# Altium PCB uTCA_MCH_PCB3.pcbdoc (part 14 of 25)
Units mil, origin at the board's own origin, x right, y up, seen from the top; angles counter-clockwise.
Board outline 7110.66 x 2894.12 mil, 12 copper layers (Top Layer, GND1, MidLayer1, PWR1, MidLayer2, GND2, PWR2, MidLayer3, GND3, MidLayer4, PWR3, Bottom Layer), stack 63.15 mil thick; 767 components, 905 nets, 4553 pads, 2832 vias.
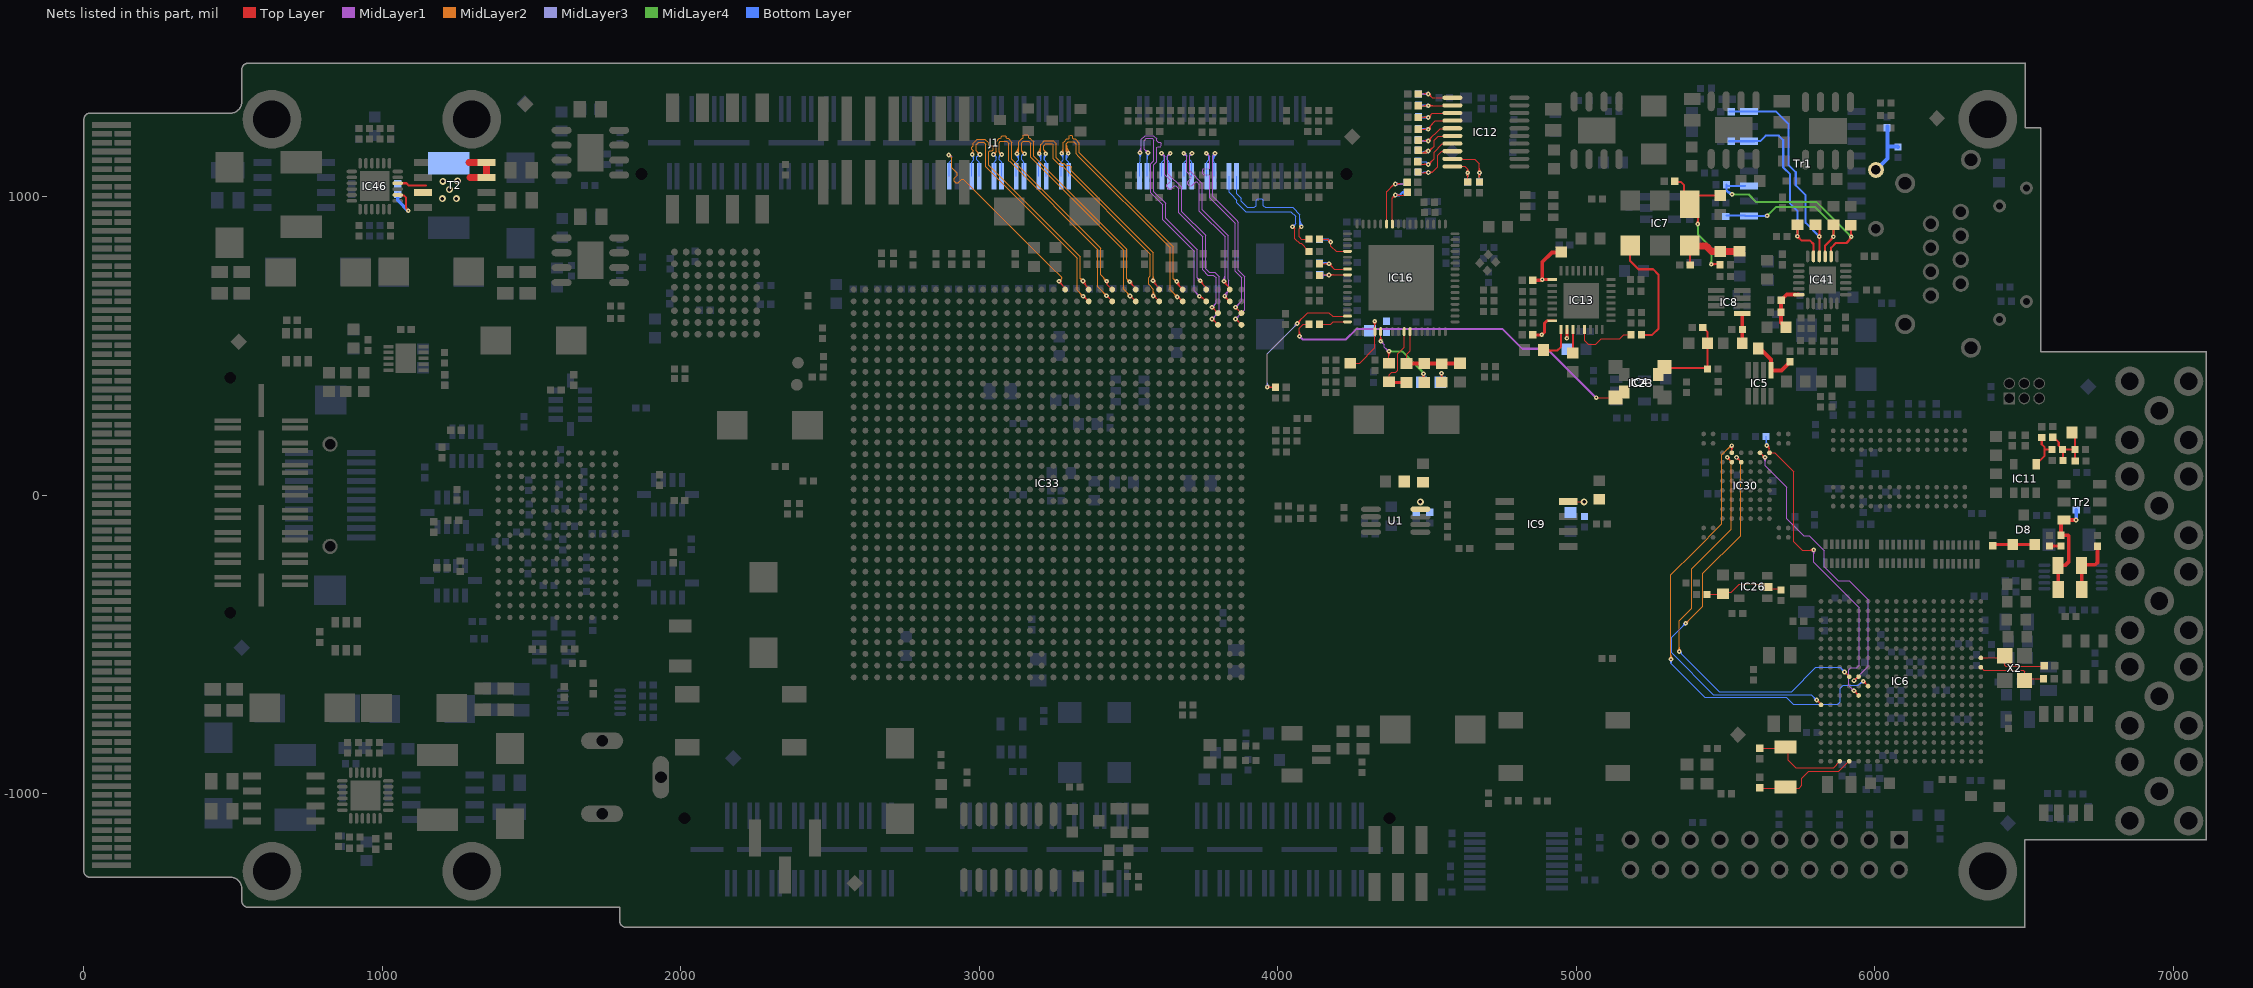
[diagram p24: the nets of this part, all layers, seen from the top]

## Via types
v1: diameter 15.75, hole 5.91, Top Layer to Bottom Layer, tented both sides, 2480 vias
v2: diameter 23.62, hole 11.81, Top Layer to Bottom Layer, tented both sides, 325 vias
v3: diameter 20, hole 10, Top Layer to Bottom Layer, tented both sides, 16 vias
v4: diameter 15.75, hole 7.87, Top Layer to Bottom Layer, tented both sides, 9 vias
v5: diameter 23.62, hole 11.81, Top Layer to Bottom Layer, 1 vias
v6: diameter 15.75, hole 5.91, Top Layer to Bottom Layer, 1 vias

## Nets (pads, with @x,y where several pads share a name; then routed paths per layer and width w, separated by ;. In a path a pad name is that pad's centre, name@x,y a point inside that pad or via, vN(x,y) a via of type N, cw(c..) or ccw(c..) an arc to the next point about the centre after c; other vN are vias at no path point) (continued)
MGTTX114_2_P: IC33.T1 J1.42 | length 815.1
  Top Layer w3.94: v1@3267.03,710.88 cw(c3267.03,702.88) 3272.69,708.54 ; v1@3268.71,716.17 3268.71,712.52 3287.4,693.83 IC33.T1@3287.4,688.98 ; v1@3269,716.79 ccw(c3280,716.79) 3272.22,709.01 ; v1@3272.94,716.79 ccw(c3293.45,716.79) 3278.94,702.29
  MidLayer2 w3.54: v1(2897.63,1139.76) 2898.17,1139.76 2906.65,1131.28 ; v1@2898.72,1133.76 cw(c2900.32,1124.94) 2906.65,1131.28 ; v1@2903.71,1139.27 ccw(c2913.83,1138.45) 2906.65,1131.28 ; 2906.45,1098.39 2926.63,1078.21 2926.63,1072.25 2915.54,1061.16 2915.54,1052.39 2920.67,1047.26 2928.93,1047.26 2940.84,1059.17 2945.67,1059.17 3236.84,768 3237.06,768 3275.24,729.82 3275.24,725 ; 2906.65,1098.2 2906.65,1131.28 ; v1(3267.03,716.79) 3275.24,725 ; v1@3268.14,722.79 ccw(c3269.59,730.65) 3275.24,725 ; v1@3273.03,717.9 cw(c3280.89,719.35) 3275.24,725
  Bottom Layer w3.94: v1(2897.63,1139.76) 2900.85,1139.76 2906.76,1133.86 ; J1.42@2899.13,1068.31 2899.13,1115.82 2906.76,1123.44 2906.76,1133.86 ; v1@2900.6,1134.66 cw(c2903.16,1130.26) 2906.76,1133.86 ; v1@2903.54,1139.76 ccw(c2910.02,1139.76) 2905.44,1135.18
MGTTX114_3_N: IC33.P2 J1.48 | length 921.1
  Top Layer w3.94: v1@3346.46,669.29 IC33.P2@3366.14,649.61 ; v1@3347.52,660.51 cw(c3347.52,641.89) IC33.P2@3360.69,655.06 ; v1@3347.52,664.45 cw(c3347.52,655.33) 3353.97,661.78 ; v1@3353.43,666.42 ccw(c3363.32,666.42) 3356.32,659.43
  MidLayer2 w3.54: v1@2995.86,1141.73 ccw(c2981.13,1141.73) 2991.55,1152.15 ccw(c3001.96,1162.56) v1@3001.96,1147.83 ; v1(3001.96,1141.73) 2989.07,1154.62 2989.07,1174.71 2997.24,1182.88 3014.69,1182.88 3021.31,1176.26 3021.31,1100.66 3327.49,794.48 3327.49,686.45 v1(3347.52,666.42) ; v1@3341.42,666.42 ccw(c3326.69,666.42) 3337.1,676.84 ccw(c3347.52,687.25) v1@3347.52,672.52
  Bottom Layer w3.94: 2993.59,1135.78 ccw(c2987.65,1141.73) v1@2996.06,1141.73 ; J1.48@2999.29,1068.31 2999.29,1115.82 2991.67,1123.44 2991.67,1133.86 ; v1@2999.54,1141.73 2991.67,1133.86 ; v1@3000.3,1136.06 ccw(c2997.84,1127.68) 2991.67,1133.86
MGTTX114_3_P: IC33.P1 J1.46 | length 942.7
  Top Layer w3.94: v1@3345.5,713.79 IC33.P1@3365.18,694.11 ; v1@3349.27,717.73 ccw(c3367.88,717.73) 3354.72,704.57 ; v1@3353.21,717.73 ccw(c3381.32,717.73) 3361.44,697.85
  MidLayer2 w3.54: v1@2974.51,1147.69 ccw(c2973.22,1153.56) 2979.23,1153.56 ; v1@2975.26,1144.23 ccw(c2974.19,1149.16) 2979.23,1149.16 ; v1(2975.81,1141.73) 2979.23,1145.15 2979.23,1153.56 ; v1@3341.2,717.92 ccw(c3327.97,718.34) 3337.33,727.7 ; v1@3347.11,723.83 cw(c3346.69,737.06) 3337.33,727.7 ; v1(3347.3,717.73) 3337.33,727.7 ; 2979.23,1153.56 2974.23,1158.56 2974.23,1165.38 2979.23,1170.38 2979.23,1178.79 2993.16,1192.72 2995.91,1192.72 2996.11,1192.92 3014.88,1192.92 3015.08,1192.72 3018.77,1192.72 3031.15,1180.34 3031.15,1173.23 3033.69,1170.69 3042.69,1170.69 3045.92,1167.46 3045.92,1157.28 3043.01,1154.37 3034.63,1154.37 3031.15,1150.89 3031.15,1104.74 3337.33,798.56 3337.33,727.7
  Bottom Layer w3.94: v1@2973.14,1136.46 cw(c2966.08,1122.51) 2981.72,1122.51 ; J1.46@2974.09,1068.31 2974.09,1115.82 2981.72,1123.44 2981.72,1135.83 v1(2975.81,1141.73) ; v1@2974.92,1139.98 cw(c2969.32,1128.92) 2981.72,1128.92 ; v1@2976.7,1143.49 cw(c2972.57,1135.33) 2981.72,1135.33
MGTTX115_0_N: IC33.M2 J1.52 | length 913.3
  Top Layer w3.94: v1@3425.2,669.29 IC33.M2@3444.88,649.61 ; v1@3426.09,662.09 cw(c3426.09,646.88) 3436.85,657.64 ; v1@3432,668 ccw(c3445.29,668) 3435.89,658.6
  MidLayer2 w3.54: v1@3068.75,1142.52 ccw(c3059.28,1143.75) 3066.03,1150.5 ; v1@3074.01,1147.78 cw(c3072.78,1157.24) 3066.03,1150.5 ; v1(3074.8,1141.73) 3066.03,1150.5 ; v1@3419.99,668 ccw(c3405.26,668) 3415.67,678.42 ccw(c3426.09,688.83) v1@3426.09,674.1 ; v1(3426.09,668) 3396.18,697.91 3396.18,823.27 3101.24,1118.2 3098.36,1121.09 3098.36,1151.94 3098.49,1152.07 3098.49,1179.11 3092.08,1185.52 3070.74,1185.52 3066.03,1180.81 3066.03,1150.5
  Bottom Layer w3.94: v1@3068.97,1140.79 cw(c3060.73,1139.46) 3066.63,1133.56 ; v1@3073.86,1135.9 ccw(c3072.53,1127.67) 3066.63,1133.56 ; J1.52@3074.25,1068.31 3074.25,1115.82 3066.63,1123.44 3066.63,1133.56 ; v1(3074.8,1141.73) 3066.63,1133.56
MGTTX115_0_P: IC33.M1 J1.50 | length 906.3
  Top Layer w3.94: v1@3424.34,711.79 cw(c3421.23,704.85) 3428.83,704.85 ; 3428.83,707.94 cw(c3435.99,707.94) v1@3430.93,713 ; v1@3428.83,715.19 3428.83,705.03 IC33.M1@3444.88,688.98
  MidLayer2 w3.54: v1(3047.24,1141.73) 3056.19,1150.68 ; v1@3047.93,1147.79 ccw(c3049.06,1157.8) 3056.19,1150.68 ; v1@3053.3,1142.42 cw(c3063.31,1143.56) 3056.19,1150.68 ; v1@3420.65,717.18 ccw(c3405.92,717.18) 3416.33,727.6 ccw(c3426.75,738.01) v1@3426.75,723.28 ; v1(3426.75,717.18) 3406.02,737.91 3406.02,827.35 3108.2,1125.16 3108.2,1147.86 3108.33,1147.99 3108.33,1183.19 3096.16,1195.36 3091.48,1195.36 3089.35,1197.49 3089.35,1200.68 3086.11,1203.91 3082.95,1203.91 3079.13,1203.9 3079.07,1203.96 3076.17,1203.96 3072.73,1200.52 3072.73,1197.49 3070.59,1195.36 3066.66,1195.36 3056.19,1184.89 3056.19,1150.68
  Bottom Layer w3.94: v1(3047.24,1141.73) 3056.68,1132.29 ; v1@3047.52,1135.83 cw(c3048.1,1123.71) 3056.68,1132.29 ; J1.50@3049.06,1068.31 3049.06,1115.82 3056.68,1123.44 3056.68,1132.29 ; v1@3053.14,1141.45 ccw(c3065.26,1140.87) 3056.68,1132.29
MGTTX115_1_N: IC33.K2 J1.56 | length 916.7
  Top Layer w3.94: v1@3503.94,669.29 IC33.K2@3523.62,649.61 ; v1@3504.46,661.37 cw(c3504.46,643.52) IC33.K2@3517.08,656.15 ; v1@3510.37,667.28 ccw(c3521.03,667.28) 3513.49,659.74
  MidLayer2 w3.54: v1@3145.48,1144.13 ccw(c3133.93,1144.96) 3142.12,1153.15 ; v1@3151.13,1149.79 cw(c3150.31,1161.33) 3142.12,1153.15 ; v1(3151.57,1143.7) 3142.12,1153.15 ; 3492.99,680.24 cw(c3480.03,667.28) v1@3498.36,667.28 ; 3496.58,676.65 ccw(c3504.46,684.52) v1@3504.46,673.38 ; 3499.04,674.19 cw(c3492.13,667.28) v1@3501.9,667.28 ; v1@3503.94,669.29 3483.89,689.34 3483.89,820.29 3172.1,1132.08 3172.1,1179.52 3165.84,1185.78 3147.2,1185.78 3142.12,1180.7 3142.12,1153.15
  Bottom Layer w3.94: v1@3148.52,1138.64 ccw(c3145.6,1133.79) 3141.59,1137.8 ; J1.56@3149.21,1068.31 3149.21,1115.82 3141.59,1123.44 3141.59,1137.8 ; v1(3151.57,1143.7) 3147.49,1143.7 3141.59,1137.8
  other v1: 3504.46,667.28
MGTTX115_1_P: IC33.K1 J1.54 | length 1005.2
  Top Layer w3.94: v1@3503.8,709.59 cw(c3503.8,700.92) 3509.94,707.05 ; v1@3504.55,712.44 IC33.K1@3524.24,692.75 ; v1@3505.77,715.5 ccw(c3516.1,715.5) 3508.79,708.19 ; v1@3509.71,715.5 ccw(c3529.54,715.5) 3515.52,701.47
  MidLayer2 w3.54: v1@3121.42,1148.02 ccw(c3095.2,1174.23) 3132.28,1174.23 ; v1@3123.92,1145.51 ccw(c3103.75,1165.68) 3132.28,1165.68 ; v1(3125.73,1143.7) 3132.28,1150.25 3132.28,1184.78 3140.24,1192.74 3143.12,1195.62 3145.38,1195.62 3147.49,1197.73 3147.49,1205.57 3150.39,1208.47 3160.34,1208.47 3164.82,1203.99 3164.82,1197.73 3166.93,1195.62 3169.92,1195.62 3172.8,1192.74 3181.94,1183.6 3181.94,1136.16 3493.73,824.37 3493.73,725.57 ; v1@3126.43,1143 ccw(c3112.31,1157.13) 3132.28,1157.13 ; v1@3128.93,1140.5 ccw(c3120.86,1148.57) 3132.28,1148.57 ; v1@3497.7,715.65 ccw(c3484.14,715.98) 3493.73,725.57 ; v1@3503.65,721.6 cw(c3503.32,735.16) 3493.73,725.57 ; v1(3503.8,715.5) 3493.73,725.57
  Bottom Layer w3.94: v1@3122.64,1138.67 cw(c3112.79,1122.6) 3131.64,1122.6 ; J1.54@3124.02,1068.31 3124.02,1115.82 3131.64,1123.44 3131.64,1137.8 v1(3125.73,1143.7) ; v1@3124.7,1142.02 cw(c3117.1,1129.63) 3131.64,1129.63 ; v1@3126.76,1145.38 cw(c3121.42,1136.67) 3131.64,1136.67
MGTTX115_2_N: IC33.H2 J1.60 | length 946.3
  Top Layer w3.94: v1@3582.6,661.59 cw(c3582.6,642.83) IC33.H2@3595.87,656.1 ; v1@3582.6,665.53 cw(c3582.6,656.27) 3589.15,662.82 ; v1@3582.68,669.29 IC33.H2@3602.36,649.61 ; v1@3588.51,667.5 ccw(c3598.25,667.5) 3591.36,660.61
  MidLayer2 w3.54: v1@3217.16,1146.73 ccw(c3209.38,1151.19) 3215.72,1157.54 ; 3219,1154.26 cw(c3213.54,1148.81) v1@3220.24,1144.97 ; v1(3222.46,1143.7) 3222.46,1150.8 3215.72,1157.54 ; v1@3578.28,671.82 ccw(c3567.68,682.42) 3582.68,682.42 ; v1@3582.68,669.29 3582.68,690.33 3566.93,706.07 3566.93,729.05 3572.83,734.95 3572.83,807.63 3278.47,1101.99 3271.82,1101.99 3246.97,1126.84 3246.97,1173.74 3242.91,1177.8 3222.1,1177.8 3215.72,1171.42 3215.72,1157.54 ; 3582.68,682.05 ccw(c3597.15,682.05) v1@3586.92,671.82
  Bottom Layer w3.94: 3216.55,1122.6 cw(c3235.4,1122.6) v1@3225.54,1138.67 ; 3216.55,1129.63 cw(c3231.09,1129.63) v1@3223.49,1142.02 ; 3216.55,1136.67 cw(c3226.77,1136.67) v1@3221.43,1145.38 ; v1(3222.46,1143.7) 3216.55,1137.8 3216.55,1123.44 3224.17,1115.82 J1.60@3224.17,1068.31
  other v1: 3582.6,667.5
MGTTX115_2_P: IC33.H1 J1.58 | length 991.4
  Top Layer w3.94: v1@3581.97,712.42 cw(c3581.97,707.27) 3585.62,710.91 ; v1@3582.98,719.4 3582.98,713.55 3602.36,694.17 IC33.H1@3602.36,688.98 ; v1@3583.94,718.33 ccw(c3597.79,718.33) 3588,708.53 ; v1@3587.88,718.33 ccw(c3611.23,718.33) 3594.72,701.81
  MidLayer2 w3.54: v1@3196.38,1148.02 ccw(c3173.44,1170.95) 3205.88,1170.95 ; v1@3198.88,1145.51 ccw(c3182,1162.4) 3205.88,1162.4 ; v1(3200.69,1143.7) 3205.88,1148.89 3205.88,1175.5 3208.76,1178.38 3218.02,1187.64 3246.98,1187.64 3256.81,1177.82 3256.81,1130.92 3275.9,1111.83 3282.55,1111.83 3290.39,1103.99 3293.57,1103.99 3295.03,1105.45 3298.48,1105.45 3301.65,1105.47 3307.1,1100.02 3308.58,1098.56 3308.58,1091.94 3307.1,1090.47 3307.1,1087.28 3582.68,811.7 v1@3582.68,712.6 ; v1@3201.39,1143 ccw(c3190.55,1153.84) 3205.88,1153.84 ; v1@3577.65,722.65 ccw(c3565.53,734.77) 3582.68,734.77 ; v1@3580.16,720.14 ccw(c3574.08,726.22) 3582.68,726.22 ; 3582.68,731.35 ccw(c3594.99,731.35) v1@3586.29,722.65
  Bottom Layer w3.94: v1@3197.61,1138.67 cw(c3187.75,1122.6) 3206.6,1122.6 ; J1.58@3198.98,1068.31 3198.98,1115.82 3206.6,1123.44 3206.6,1137.8 v1(3200.69,1143.7) ; v1@3199.66,1142.02 cw(c3192.06,1129.63) 3206.6,1129.63 ; v1@3201.72,1145.38 cw(c3196.38,1136.67) 3206.6,1136.67
  other v1: 3581.97,718.33
MGTTX115_3_N: IC33.F2 J1.64 | length 1006.6
  Top Layer w3.94: v1@3661.42,669.29 IC33.F2@3681.1,649.61 ; v1@3663.04,658.43 cw(c3663.04,636.14) IC33.F2@3678.8,651.91 ; v1@3663.04,662.37 cw(c3663.04,649.58) 3672.08,658.63 ; v1@3668.95,664.34 ccw(c3675.17,664.34) 3670.77,659.94
  MidLayer2 w3.54: 3291.52,1157.53 ccw(c3309.28,1157.53) v1@3296.72,1144.97 ; 3291.52,1166.09 ccw(c3317.83,1166.09) v1@3299.23,1147.48 ; 3291.52,1174.64 ccw(c3326.39,1174.64) v1@3301.73,1149.98 ; v1@3293.64,1141.89 v1(3297.42,1145.67) 3291.52,1151.57 3291.52,1177.92 3297.27,1183.67 3316.9,1183.67 3324.72,1175.85 3324.72,1143.65 3330.19,1138.18 3639.92,828.45 3639.92,687.79 v1@3663.02,664.69 ; 3652.39,675.32 cw(c3641.41,664.34) v1@3656.94,664.34 ; 3653.19,674.52 ccw(c3663.04,684.38) v1@3663.04,670.44
  Bottom Layer w3.94: 3291.51,1122.67 cw(c3313.9,1122.67) v1@3300.86,1140.87 ; 3291.51,1130.34 cw(c3308.41,1130.34) v1@3298.56,1144.07 ; 3291.51,1138 cw(c3302.91,1138) v1@3296.27,1147.27 ; v1(3297.42,1145.67) 3291.51,1139.76 3291.51,1123.44 3299.13,1115.82 J1.64@3299.13,1068.31
  other v1: 3663.04,664.34
MGTTX115_3_P: IC33.F1 J1.62 | length 1002.8
  Top Layer w3.94: v1@3658.97,716.22 ccw(c3671.31,716.22) 3662.59,707.49 ; v1@3661.42,708.66 IC33.F1@3681.1,688.98 ; v1@3662.91,716.22 ccw(c3684.76,716.22) 3669.31,700.77 ; v1@3666.85,716.22 ccw(c3698.2,716.22) IC33.F1@3676.03,694.05
  MidLayer2 w3.54: v1@3273.4,1151.34 ccw(c3268.53,1163.54) 3281.67,1163.54 3281.67,1151.69 v1(3275.65,1145.67) v1@3279.43,1141.89 ; v1@3274.71,1148.05 ccw(c3270.62,1158.32) 3281.67,1158.32 ; v1@3276.02,1144.76 ccw(c3272.7,1153.09) 3281.67,1153.09 ; 3281.68,1163.55 3281.68,1182 3284.56,1184.88 3293.19,1193.51 3300.14,1193.51 3301.88,1195.25 3301.88,1200.68 ; 3301.91,1197.65 3301.91,1203.66 3304.85,1206.6 3304.95,1206.5 3310.05,1206.5 3312.29,1204.26 3312.29,1195.25 3314.03,1193.51 3320.98,1193.51 3334.56,1179.93 3334.56,1147.73 3649.76,832.53 3649.76,725.94 ; 3651.55,724.15 cw(c3643.63,716.22) v1@3654.84,716.22 ; v1@3660.24,722.28 cw(c3658.79,734.97) 3649.76,725.94 ; v1@3661.5,714.2 3649.76,725.94
  Bottom Layer w3.94: v1@3272.21,1140.87 cw(c3259.17,1122.67) 3281.56,1122.67 ; J1.62@3273.94,1068.31 3273.94,1115.82 3281.56,1123.44 3281.56,1139.76 v1(3275.65,1145.67) ; v1@3274.51,1144.07 cw(c3264.66,1130.34) 3281.56,1130.34 ; v1@3276.8,1147.27 cw(c3270.16,1138) 3281.56,1138
  other v1: 3660.94,716.22
MGTTX116_0_N: IC33.D2 J1.68 | length 899.5
  Top Layer w3.94: v1@3737.06,660.91 cw(c3737.06,633.22) IC33.D2@3756.65,652.8 ; v1@3737.06,664.85 cw(c3737.06,646.66) 3749.93,659.52 ; v1@3740.73,668.71 IC33.D2@3759.84,649.61
  MidLayer1 w3.54: v1@3558.85,1147.64 ccw(c3544.12,1147.64) 3554.54,1158.05 ccw(c3564.95,1168.47) v1@3564.95,1153.74 ; v1(3564.95,1147.64) 3552.81,1159.78 3552.81,1188.34 3559.82,1195.35 3578.71,1195.35 3584.33,1189.73 3584.33,1121.04 3577.32,1114.03 3574.44,1111.15 3574.44,1013.36 3577.32,1010.48 3614.4,973.4 3614.4,923.21 3719.43,818.18 3719.43,684.63 v1@3737.78,666.28 ; 3726.52,677.54 cw(c3715.79,666.82) v1@3730.96,666.82 ; 3726.95,677.11 ccw(c3737.06,687.22) v1@3737.06,672.92
  Bottom Layer w3.94: J1.68@3561.81,1068.31 3561.81,1144.49 v1(3564.95,1147.64) ; 3561.81,1125.79 cw(c3586.79,1125.79) v1@3569.13,1143.46 ; 3561.81,1135.3 cw(c3577.29,1135.3) v1@3566.35,1146.24
  other v1: 3737.06,666.82
MGTTX116_0_P: IC33.D1 J1.66 | length 919.4
  Top Layer w3.94: v1@3738.17,717.16 3758.24,697.09 IC33.D1@3758.24,687.27 ; v1@3739.87,712.84 cw(c3739.87,706.53) 3744.34,710.99 ; v1@3741.84,718.75 ccw(c3754.53,718.75) 3745.56,709.77 ; v1@3745.78,718.75 ccw(c3767.98,718.75) 3752.28,703.05
  MidLayer1 w3.54: v1@3534.02,1151.95 ccw(c3512.41,1173.56) 3542.97,1173.56 ; v1@3536.52,1149.45 ccw(c3520.96,1165.01) 3542.97,1165.01 ; v1(3538.33,1147.64) 3542.97,1152.27 3542.97,1192.42 3555.74,1205.19 3582.79,1205.19 3594.17,1193.81 3594.17,1186.89 3598.72,1182.34 3605.94,1182.34 3609.03,1179.25 3609.03,1170.2 3607.09,1168.26 3597.25,1168.26 3594.17,1165.18 3594.17,1116.96 3584.28,1107.07 3584.28,1017.44 3624.24,977.48 3624.24,927.29 3729.27,822.26 3729.27,729.35 v1(3739.87,718.75) ; v1@3539.03,1146.94 ccw(c3529.51,1156.45) 3542.97,1156.45 ; v1@3733.77,718.75 ccw(c3719.04,718.75) 3729.45,729.17 ccw(c3739.87,739.58) v1@3739.87,724.85
  Bottom Layer w3.94: v1@3534.16,1143.46 cw(c3524.07,1133.38) 3538.33,1133.38 cw(c3552.59,1133.38) v1@3542.51,1143.46 ; J1.66@3536.61,1068.31 3536.61,1115.82 ; 3538.33,1117.54 v1(3538.33,1147.64)
MGTTX116_1_N: IC33.C4 J1.72 | length 847.7
  Top Layer w3.94: v1@3779.53,584.65 cw(c3779.53,570.39) 3789.61,580.47 cw(c3799.69,590.55) v1@3785.43,590.55 ; v1(3779.53,590.55) IC33.C4@3799.21,570.87
  MidLayer1 w3.54: v1@3633.73,1144.7 cw(c3625.21,1143.33) 3631.31,1137.22 ; v1@3638.79,1139.64 ccw(c3637.42,1131.12) 3631.31,1137.22 ; v1(3639.76,1145.67) 3631.31,1137.22 ; v1(3779.53,590.55) 3803.59,614.62 3803.59,732.24 3788.22,747.61 3769.91,747.61 3758.15,759.37 3758.15,870.26 3677.89,950.52 3677.89,1031.04 3631.31,1077.62 3631.31,1137.22 ; v1@3779.53,596.65 ccw(c3779.53,611.39) 3789.95,600.97 ccw(c3800.36,590.55) v1@3785.63,590.55
  Bottom Layer w3.94: v1@3633.85,1145.67 cw(c3619.59,1145.67) 3629.68,1135.59 cw(c3639.76,1125.5) v1@3639.76,1139.76 ; J1.72@3636.77,1068.31 3636.77,1115.82 3629.15,1123.44 3629.15,1135.06 v1(3639.76,1145.67)
MGTTX116_1_P: IC33.C3 J1.70 | length 845.5
  Top Layer w3.94: v1@3779.53,624.02 cw(c3779.53,609.76) 3789.61,619.84 cw(c3799.69,629.92) v1@3785.43,629.92 ; v1(3779.53,629.92) IC33.C3@3799.21,610.24
  MidLayer1 w3.54: v1@3610.23,1139.56 cw(c3610.23,1124.83) 3620.65,1135.25 cw(c3631.06,1145.67) v1@3616.33,1145.67 ; v1(3610.23,1145.67) 3621.47,1134.43 3621.47,1073.54 3639.38,1055.63 3639.38,1050.53 3628.5,1039.65 3628.5,1033.6 3636.85,1025.25 3641.38,1025.25 3652.83,1036.7 3658.31,1036.7 3668.05,1026.96 3668.05,946.44 3748.31,866.18 3748.31,755.29 3765.83,737.77 3784.14,737.77 3793.75,728.16 3793.75,644.14 v1(3779.53,629.92) ; v1@3779.53,636.02 ccw(c3779.53,650.76) 3789.95,640.34 ccw(c3800.36,629.92) v1@3785.63,629.92
  Bottom Layer w3.94: v1(3610.23,1145.67) 3619.2,1136.7 ; v1@3610.74,1139.78 cw(c3611.66,1129.16) 3619.2,1136.7 ; J1.70@3611.57,1068.31 3611.57,1115.82 3619.2,1123.44 3619.2,1136.7 ; v1@3616.11,1145.16 ccw(c3626.74,1144.24) 3619.2,1136.7
MGTTX116_2_N: IC33.B2 J1.76 | length 743.6
  Top Layer w3.94: v1@3818.9,669.29 IC33.B2@3838.58,649.61 ; v1@3821.63,661.17 cw(c3821.63,648.18) 3830.82,657.37 ; v1@3827.54,667.08 ccw(c3843.05,667.08) IC33.B2@3832.08,656.11
  MidLayer1 w3.54: v1@3706.58,1144.62 cw(c3698.44,1143.2) 3704.28,1137.36 ; v1@3711.54,1139.66 ccw(c3710.13,1131.51) 3704.28,1137.36 ; v1(3712.59,1145.67) 3704.28,1137.36 ; v1@3818.9,669.29 3835.99,686.38 3835.99,721.05 3833.42,723.62 3833.42,869.83 3747.15,956.1 3747.15,1044.39 3704.28,1087.26 3704.28,1137.36 ; v1@3824.19,667.08 cw(c3842.3,667.08) 3829.49,679.89 ; v1@3827.73,667.08 cw(c3854.4,667.08) 3835.54,685.94
  Bottom Layer w3.94: v1@3706.74,1144.9 cw(c3697.59,1143.71) 3704.11,1137.19 ; J1.76@3711.73,1068.31 3711.73,1115.82 3704.11,1123.44 3704.11,1137.19 ; v1@3711.83,1139.81 ccw(c3710.63,1130.66) 3704.11,1137.19 ; v1(3712.59,1145.67) 3704.11,1137.19
  other v1: 3821.63,667.08
MGTTX116_2_P: IC33.B1 J1.74 | length 764.3
  Top Layer w3.94: v1@3818.9,714.19 IC33.B1@3840.63,692.46 ; v1@3819.74,710.74 cw(c3819.74,704.46) 3824.19,708.9 ; v1@3821.71,716.65 ccw(c3834.43,716.65) 3825.43,707.65 ; v1@3825.65,716.65 ccw(c3847.87,716.65) 3832.16,700.93
  MidLayer1 w3.54: v1(3685.03,1145.67) 3694.44,1136.26 ; v1@3685.49,1139.58 cw(c3686.35,1128.17) 3694.44,1136.26 ; v1@3691.12,1145.21 ccw(c3702.53,1144.35) 3694.44,1136.26 ; v1@3815.42,720.97 ccw(c3795.74,740.65) 3823.58,740.65 ; v1@3817.93,718.46 ccw(c3804.29,732.1) 3823.58,732.1 ; v1@3820.24,714.53 3823.58,717.87 3823.58,865.75 3737.31,952.02 3737.31,1040.31 3727.87,1049.75 3724.14,1049.75 3711.09,1036.7 3703.73,1036.7 3697.88,1042.55 3697.88,1050.77 3710.02,1062.91 3710.02,1067.6 3694.44,1083.18 3694.44,1136.26 ; v1@3820.44,715.95 ccw(c3812.85,723.54) 3823.58,723.54
  Bottom Layer w3.94: v1(3685.03,1145.67) 3694.16,1136.54 ; v1@3685.46,1139.78 cw(c3686.27,1128.66) 3694.16,1136.54 ; J1.74@3686.54,1068.31 3686.54,1115.82 3694.16,1123.44 3694.16,1136.54 ; v1@3690.92,1145.24 ccw(c3702.04,1144.42) 3694.16,1136.54
  other v1: 3819.74,716.65
MGTTX116_3_N: IC33.A4 J1.80 | length 825.5
  Top Layer w3.94: v1@3858.27,584.65 cw(c3858.27,570.39) 3868.35,580.47 cw(c3878.43,590.55) v1@3864.17,590.55 ; v1(3858.27,590.55) IC33.A4@3877.95,570.87
  MidLayer1 w3.54: v1(3789.36,1145.67) 3781.64,1137.94 3781.64,1001.5 3860.86,922.28 3867.75,915.39 3867.75,754.16 3889.34,732.57 3889.34,621.63 v1(3858.27,590.55) ; v1@3858.27,596.65 ccw(c3858.27,611.39) 3868.69,600.97 ccw(c3879.1,590.55) v1@3864.37,590.55
  Bottom Layer w3.94: 3783.49,1118.38 cw(c3815.07,1118.38) v1@3793.41,1141.37 ; 3783.49,1127.5 cw(c3806.48,1127.5) v1@3790.71,1144.23 ; 3783.49,1136.62 cw(c3797.89,1136.62) v1@3788.01,1147.1 ; J1.80@3786.69,1068.31 3786.69,1115.82 3783.49,1119.02 3783.49,1142.21 v1@3786.94,1145.67
MGTTX116_3_P: IC33.A3 J1.78 | length 810.6
  Top Layer w3.94: v1@3857.98,623.73 cw(c3857.98,608.08) 3869.04,619.14 ; v1@3858.55,629.63 IC33.A3@3877.95,610.24 ; v1@3863.88,629.63 ccw(c3876.75,629.63) 3867.65,620.53
  MidLayer1 w3.54: v1@3759.84,1139.56 cw(c3759.84,1124.83) 3770.25,1135.25 cw(c3780.67,1145.67) v1@3765.94,1145.67 ; v1(3759.84,1145.67) 3771.8,1133.7 3771.8,1096.3 3768.7,1093.2 3750.6,1093.2 3747.76,1090.36 3747.76,1077.79 3751.64,1073.91 3767.57,1073.91 3771.8,1069.68 3771.8,997.42 3857.91,911.31 3857.91,750.08 3879.5,728.49 3879.5,651.15 v1(3857.98,629.63) ; v1@3857.98,635.74 ccw(c3857.98,650.47) 3868.4,640.05 ccw(c3878.81,629.63) v1@3864.08,629.63
  Bottom Layer w3.94: v1@3761.25,1145.67 3769.09,1137.83 ccw(c3763.34,1132.08) v1@3761.31,1139.95 ; J1.78@3761.5,1068.31 3761.5,1115.82 3769.12,1123.44 3769.12,1137.24 ; v1@3765.74,1145.67 ccw(c3776.59,1145.67) 3768.92,1137.99
MINIBACKPLANE_CLK_N: C158.1 J1.84 | length 533.1
  Top Layer w3.94: v1@4072.97,898.31 cw(c4066.36,896.81) 4071.15,892.03 ; v1@4077.43,893.84 ccw(c4075.94,887.24) 4071.15,892.03 ; v1(4078.73,899.6) 4071.15,892.03 ; C158.1@4104.33,858.27 4078.74,858.27 4071.15,865.85 4071.15,892.03
  Bottom Layer w3.94: J1.84@3861.65,1068.31 3861.65,1010.39 3877.22,994.83 3877.22,985.29 3897.95,964.57 3921.42,964.57 3927.4,970.55 3927.4,988.13 3933.39,994.11 3945.35,994.11 3951.34,988.13 3951.34,970.55 3957.32,964.57 4049.26,964.57 4073.43,940.4 4073.43,904.91 v1(4078.73,899.6) ; 4073.43,907.66 ccw(c4086.79,907.66) v1@4077.34,898.21 ; 4073.43,917.17 ccw(c4096.3,917.17) v1@4080.12,901 ; 4073.43,926.67 ccw(c4105.8,926.67) v1@4082.91,903.78
MINIBACKPLANE_CLK_P: C327.1 J1.82 | length 499.3
  Top Layer w3.94: v1(4049.2,899.6) 4056.78,892.03 ; v1@4050.5,893.84 cw(c4051.99,887.24) 4056.78,892.03 ; v1@4054.97,898.31 ccw(c4061.57,896.81) 4056.78,892.03 ; C327.1@4104.33,816.93 4104.33,820.87 4100.67,820.87 4077.64,843.9 4072.79,843.9 4056.78,859.9 4056.78,892.03
  Bottom Layer w3.94: J1.82@3836.46,1068.31 3836.46,1015.36 3842.1,1009.71 ; 3842.1,1009.62 3862.85,988.87 3862.85,979.34 3891.99,950.2 4043.31,950.2 4059.06,934.45 4059.06,909.46 ; v1(4049.2,899.6) 4059.06,909.46 ; v1@4049.3,905.51 ccw(c4049.53,918.98) 4059.05,909.45 ; v1@4055.11,899.7 cw(c4068.58,899.93) 4059.05,909.45
NAND_ALE: IC6.F9 IC30.C4 | length 1771.1
  Top Layer w3.94: v1@5516.71,162.07 cw(c5506.63,151.98) 5520.88,151.98 cw(c5535.14,151.99) v1@5525.06,162.07 ; IC30.C4@5520.88,142.62 v1(5520.88,166.24) ; v1@5961.34,-629.39 cw(c5961.34,-643.64) 5971.42,-633.56 cw(c5981.5,-623.48) v1@5967.24,-623.48 ; v1(5961.34,-623.48) IC6.F9@5977.09,-639.23